# Altium PCB spin5v1_simple.PcbDoc (part 7 of 25) (continued)
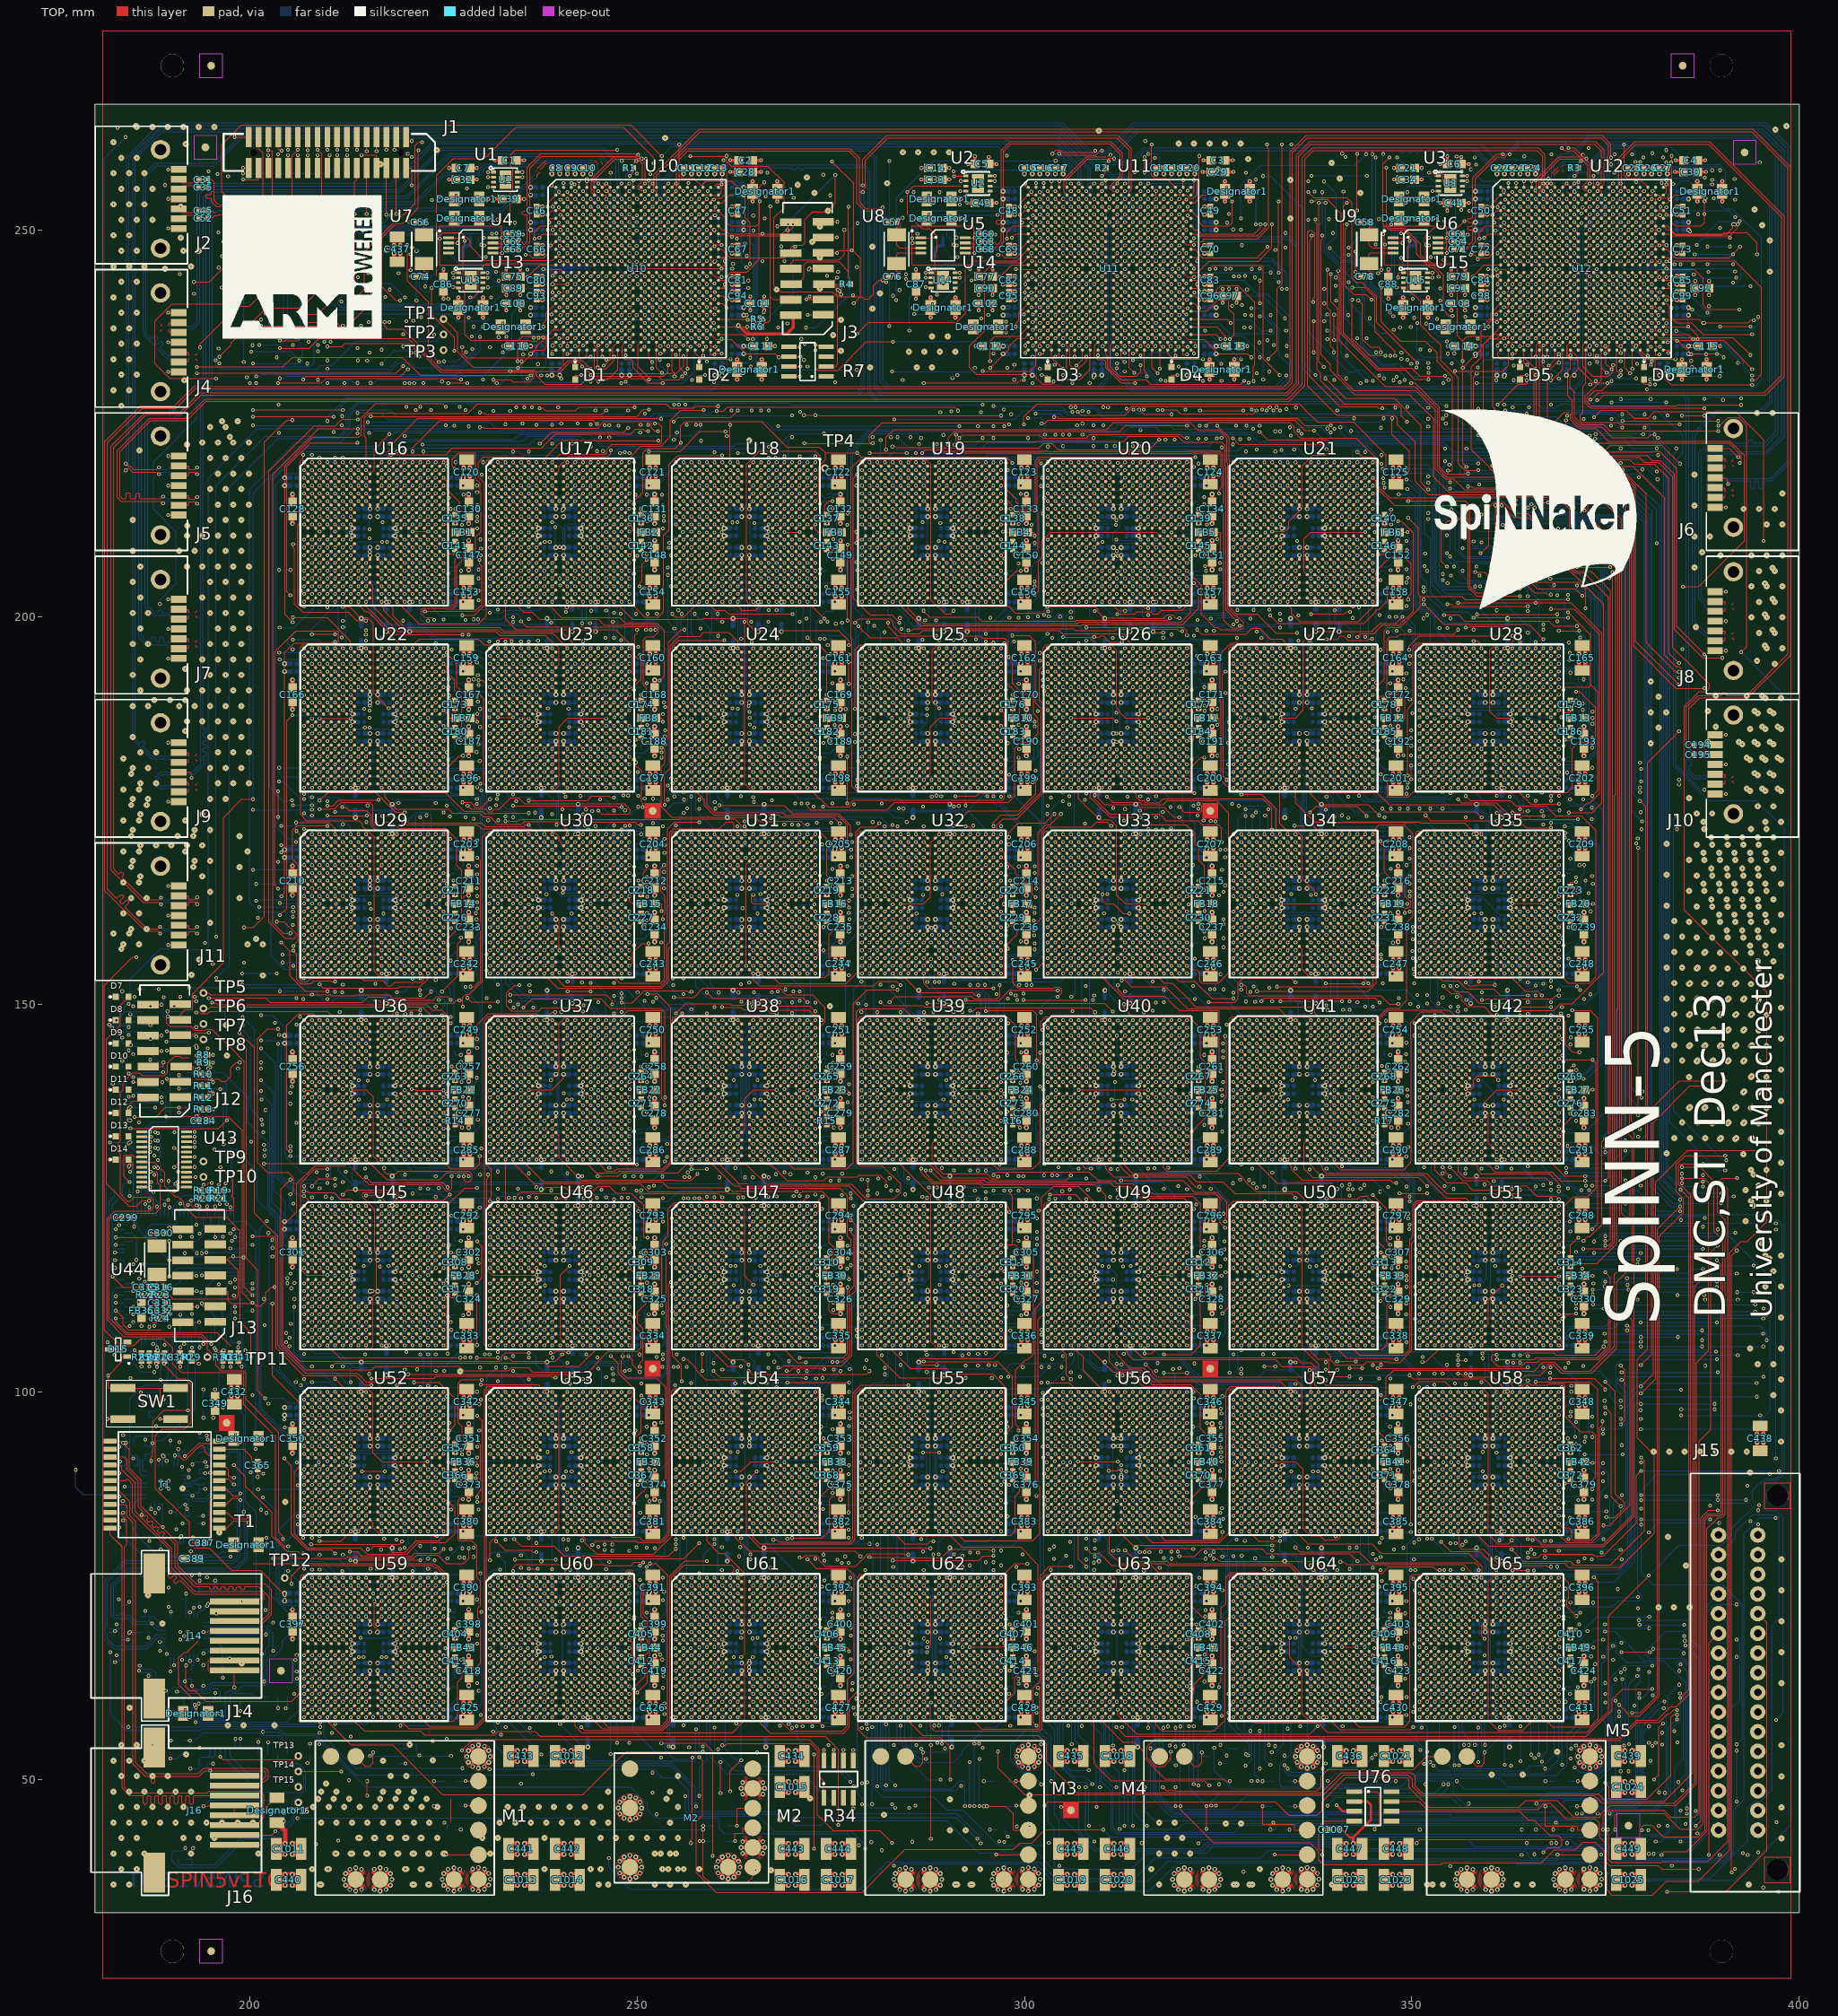
[diagram p0: TOP view]
## Nets (pads, with @x,y where several pads share a name; then routed paths per layer and width w, separated by ;. In a path a pad name is that pad's centre, name@x,y a point inside that pad or via, vN(x,y) a via of type N, cw(c..) or ccw(c..) an arc to the next point about the centre after c; other vN are vias at no path point) (continued)
RXD<1>_49: U61.A16
  other v1: 271,76
RXD<1>_50: U60.A16
  other v1: 247,76
RXD<1>_51: U28.A16
  other v1: 367,196
RXD<1>_52: U21.A16
  other v1: 343,220
RXD<1>_53: U19.A16
  other v1: 295,220
RXD<1>_54: U18.A16
  other v1: 271,220
RXD<1>_55: U17.A16
  other v1: 247,220
RXD<1>_56: U25.A16
  other v1: 295,196
RXD<1>_57: U20.A16
  other v1: 319,220
RXD<1>_58: U27.A16
  other v1: 343,196
RXD<1>_59: U35.A16
  other v1: 367,172
RXD<1>_60: U42.A16
  other v1: 367,148
RXD<1>_61: U34.A16
  other v1: 343,172
RXD<1>_62: U26.A16
  other v1: 319,196
RXD<1>_63: U24.A16
  other v1: 271,196
RXD<1>_64: U23.A16
  other v1: 247,196
RXD<1>_65: U16.A16
  other v1: 223,220
RXD<1>_66: U51.A16
  other v1: 367,124
RXD<1>_67: U41.A16
  other v1: 343,148
RXD<1>_68: U33.A16
  other v1: 319,172
RXD<1>_69: U32.A16
  other v1: 295,172
RXD<1>_70: U31.A16
  other v1: 271,172
RXD<1>_71: U30.A16
  other v1: 247,172
RXD<1>_72: U22.A16
  other v1: 223,196
RXD<1>_73: U58.A16
  other v1: 367,100
RXD<1>_74: U50.A16
  other v1: 343,124
RXD<1>_75: U40.A16
  other v1: 319,148
RXD<1>_76: U39.A16
  other v1: 295,148
RXD<1>_77: U38.A16
  other v1: 271,148
RXD<1>_78: U37.A16
  other v1: 247,148
RXD<1>_79: U36.A16
  other v1: 223,148
RXD<1>_80: U29.A16
  other v1: 223,172
RXD<1>_81: U65.A16
  other v1: 367,76
RXD<1>_82: U57.A16
  other v1: 343,100
RXD<1>_83: U49.A16
  other v1: 319,124
RXD<1>_84: U48.A16
  other v1: 295,124
RXD<1>_85: U47.A16
  other v1: 271,124
RXD<1>_86: U46.A16
  other v1: 247,124
RXD<1>_87: U45.A16
  other v1: 223,124
RXD<1>_88: U64.A16
  other v1: 343,76
RXD<1>_89: U56.A16
  other v1: 319,100
RXD<1>_90: U55.A16
  other v1: 295,100
RXD<1>_91: U54.A16
  other v1: 271,100
RXD<1>_92: U53.A16
  other v1: 247,100
RXD<1>_93: U52.A16
  other v1: 223,100
RXD<1>_94: U59.A16 U72.10
  other v1: 218.95,66.965 223,76
RXD<2>: U63.B16
  other v1: 319,75
RXD<2>_48: U62.B16
  other v1: 295,75
RXD<2>_49: U61.B16
  other v1: 271,75
RXD<2>_50: U60.B16
  other v1: 247,75
RXD<2>_51: U28.B16
  other v1: 367,195
RXD<2>_52: U21.B16
  other v1: 343,219
RXD<2>_53: U19.B16
  other v1: 295,219
RXD<2>_54: U18.B16
  other v1: 271,219
RXD<2>_55: U17.B16
  other v1: 247,219
RXD<2>_56: U25.B16
  other v1: 295,195
RXD<2>_57: U20.B16
  other v1: 319,219
RXD<2>_58: U27.B16
  other v1: 343,195
RXD<2>_59: U35.B16
  other v1: 367,171
RXD<2>_60: U42.B16
  other v1: 367,147
RXD<2>_61: U34.B16
  other v1: 343,171
RXD<2>_62: U26.B16
  other v1: 319,195
RXD<2>_63: U24.B16
  other v1: 271,195
RXD<2>_64: U23.B16
  other v1: 247,195
RXD<2>_65: U16.B16
  other v1: 223,219
RXD<2>_66: U51.B16
  other v1: 367,123
RXD<2>_67: U41.B16
  other v1: 343,147
RXD<2>_68: U33.B16
  other v1: 319,171
RXD<2>_69: U32.B16
  other v1: 295,171
RXD<2>_70: U31.B16
  other v1: 271,171
RXD<2>_71: U30.B16
  other v1: 247,171
RXD<2>_72: U22.B16
  other v1: 223,195
RXD<2>_73: U58.B16
  other v1: 367,99
RXD<2>_74: U50.B16
  other v1: 343,123
RXD<2>_75: U40.B16
  other v1: 319,147
RXD<2>_76: U39.B16
  other v1: 295,147
RXD<2>_77: U38.B16
  other v1: 271,147
RXD<2>_78: U37.B16
  other v1: 247,147
RXD<2>_79: U36.B16
  other v1: 223,147
RXD<2>_80: U29.B16
  other v1: 223,171
RXD<2>_81: U65.B16
  other v1: 367,75
RXD<2>_82: U57.B16
  other v1: 343,99
RXD<2>_83: U49.B16
  other v1: 319,123
RXD<2>_84: U48.B16
  other v1: 295,123
RXD<2>_85: U47.B16
  other v1: 271,123
RXD<2>_86: U46.B16
  other v1: 247,123
RXD<2>_87: U45.B16
  other v1: 223,123
RXD<2>_88: U64.B16
  other v1: 343,75
RXD<2>_89: U56.B16
  other v1: 319,99
RXD<2>_90: U55.B16
  other v1: 295,99
RXD<2>_91: U54.B16
  other v1: 271,99
RXD<2>_92: U53.B16
  other v1: 247,99
RXD<2>_93: U52.B16
  other v1: 223,99
RXD<2>_94: R171.1 U59.B16 U72.9 | length 28.8
  TOP w0.127: 200.368,77.843 223.791,77.843 224.088,77.546 224.288,77.546 225.431,76.403 v1(225.431,75.43)
  BOTTOM w0.127: U72.9@193.875,70.25 195.194,70.25 195.444,70.5 195.97,70.5
  other v1: 202.997,66.565 195.629,71.408 223,75
RXD<3>: U63.A15
  other v1: 318,76
RXD<3>_48: U62.A15
  other v1: 294,76
RXD<3>_49: U61.A15
  other v1: 270,76
RXD<3>_50: U60.A15
  other v1: 246,76
RXD<3>_51: U28.A15
  other v1: 366,196
RXD<3>_52: U21.A15
  other v1: 342,220
RXD<3>_53: U19.A15
  other v1: 294,220
RXD<3>_54: U18.A15
  other v1: 270,220
RXD<3>_55: U17.A15
  other v1: 246,220
RXD<3>_56: U25.A15
  other v1: 294,196
RXD<3>_57: U20.A15
  other v1: 318,220
RXD<3>_58: U27.A15
  other v1: 342,196
RXD<3>_59: U35.A15
  other v1: 366,172
RXD<3>_60: U42.A15
  other v1: 366,148
RXD<3>_61: U34.A15
  other v1: 342,172
RXD<3>_62: U26.A15
  other v1: 318,196
RXD<3>_63: U24.A15
  other v1: 270,196
RXD<3>_64: U23.A15
  other v1: 246,196
RXD<3>_65: U16.A15
  other v1: 222,220
RXD<3>_66: U51.A15
  other v1: 366,124
RXD<3>_67: U41.A15
  other v1: 342,148
RXD<3>_68: U33.A15
  other v1: 318,172
RXD<3>_69: U32.A15
  other v1: 294,172
RXD<3>_70: U31.A15
  other v1: 270,172
RXD<3>_71: U30.A15
  other v1: 246,172
RXD<3>_72: U22.A15
  other v1: 222,196
RXD<3>_73: U58.A15
  other v1: 366,100
RXD<3>_74: U50.A15
  other v1: 342,124
RXD<3>_75: U40.A15
  other v1: 318,148
RXD<3>_76: U39.A15
  other v1: 294,148
RXD<3>_77: U38.A15
  other v1: 270,148
RXD<3>_78: U37.A15
  other v1: 246,148
RXD<3>_79: U36.A15
  other v1: 222,148
RXD<3>_80: U29.A15
  other v1: 222,172
RXD<3>_81: U65.A15
  other v1: 366,76
RXD<3>_82: U57.A15
  other v1: 342,100
RXD<3>_83: U49.A15
  other v1: 318,124
RXD<3>_84: U48.A15
  other v1: 294,124
RXD<3>_85: U47.A15
  other v1: 270,124
RXD<3>_86: U46.A15
  other v1: 246,124
RXD<3>_87: U45.A15
  other v1: 222,124
RXD<3>_88: U64.A15
  other v1: 342,76
RXD<3>_89: U56.A15
  other v1: 318,100
RXD<3>_90: U55.A15
  other v1: 294,100
RXD<3>_91: U54.A15
  other v1: 270,100
RXD<3>_92: U53.A15
  other v1: 246,100
RXD<3>_93: U52.A15
  other v1: 222,100
RXD<3>_94: R161.1 U59.A15 U72.8
  other v1: 192.75,72.117 194.458,72.363 194.592,72.629 215.931,74 222,76
RXDV: U63.B15
  other v1: 318,75
RXDV_48: U62.B15
  other v1: 294,75
RXDV_49: U61.B15
  other v1: 270,75
RXDV_50: U60.B15
  other v1: 246,75
RXDV_51: U28.B15
  other v1: 366,195
RXDV_52: U21.B15
  other v1: 342,219
RXDV_53: U19.B15
  other v1: 294,219
RXDV_54: U18.B15
  other v1: 270,219
RXDV_55: U17.B15
  other v1: 246,219
RXDV_56: U25.B15
  other v1: 294,195
RXDV_57: U20.B15
  other v1: 318,219
RXDV_58: U27.B15
  other v1: 342,195
RXDV_59: U35.B15
  other v1: 366,171
RXDV_60: U42.B15
  other v1: 366,147
RXDV_61: U34.B15
  other v1: 342,171
RXDV_62: U26.B15
  other v1: 318,195
RXDV_63: U24.B15
  other v1: 270,195
RXDV_64: U23.B15
  other v1: 246,195
RXDV_65: U16.B15
  other v1: 222,219
RXDV_66: U51.B15
  other v1: 366,123
RXDV_67: U41.B15
  other v1: 342,147
RXDV_68: U33.B15
  other v1: 318,171
RXDV_69: U32.B15
  other v1: 294,171
RXDV_70: U31.B15
  other v1: 270,171
RXDV_71: U30.B15
  other v1: 246,171
RXDV_72: U22.B15
  other v1: 222,195
RXDV_73: U58.B15
  other v1: 366,99
RXDV_74: U50.B15
  other v1: 342,123
RXDV_75: U40.B15
  other v1: 318,147
RXDV_76: U39.B15
  other v1: 294,147
RXDV_77: U38.B15
  other v1: 270,147
RXDV_78: U37.B15
  other v1: 246,147
RXDV_79: U36.B15
  other v1: 222,147
RXDV_80: U29.B15
  other v1: 222,171
RXDV_81: U65.B15
  other v1: 366,75
RXDV_82: U57.B15
  other v1: 342,99
RXDV_83: U49.B15
  other v1: 318,123
RXDV_84: U48.B15
  other v1: 294,123
RXDV_85: U47.B15
  other v1: 270,123
RXDV_86: U46.B15
  other v1: 246,123
RXDV_87: U45.B15
  other v1: 222,123
RXDV_88: U64.B15
  other v1: 342,75
RXDV_89: U56.B15
  other v1: 318,99
RXDV_90: U55.B15
  other v1: 294,99
RXDV_91: U54.B15
  other v1: 270,99
RXDV_92: U53.B15
  other v1: 246,99
RXDV_93: U52.B15
  other v1: 222,99
RXDV_94: U59.B15 U72.26
  other v1: 214.674,65.742 222,75
RXERR: U63.C15
  other v1: 318,74
RXERR_49: U62.C15
  other v1: 294,74
RXERR_50: U61.C15
  other v1: 270,74
RXERR_51: U60.C15
  other v1: 246,74
RXERR_52: U28.C15
  other v1: 366,194
RXERR_53: U21.C15
  other v1: 342,218
RXERR_54: U19.C15
  other v1: 294,218
RXERR_55: U18.C15
  other v1: 270,218
RXERR_56: U17.C15
  other v1: 246,218
RXERR_57: U25.C15
  other v1: 294,194
RXERR_58: U20.C15
  other v1: 318,218
RXERR_59: U27.C15
  other v1: 342,194
RXERR_60: U35.C15
  other v1: 366,170
RXERR_61: U42.C15
  other v1: 366,146
RXERR_62: U34.C15
  other v1: 342,170
RXERR_63: U26.C15
  other v1: 318,194
RXERR_64: U24.C15
  other v1: 270,194
RXERR_65: U23.C15
  other v1: 246,194
RXERR_66: U16.C15
  other v1: 222,218
RXERR_67: U51.C15
  other v1: 366,122
RXERR_68: U41.C15
  other v1: 342,146
RXERR_69: U33.C15
  other v1: 318,170
RXERR_70: U32.C15
  other v1: 294,170
RXERR_71: U31.C15
  other v1: 270,170
RXERR_72: U30.C15
  other v1: 246,170
RXERR_73: U22.C15
  other v1: 222,194
RXERR_74: U58.C15
  other v1: 366,98
RXERR_75: U50.C15
  other v1: 342,122
RXERR_76: U40.C15
  other v1: 318,146
RXERR_77: U39.C15
  other v1: 294,146
RXERR_78: U38.C15
  other v1: 270,146
RXERR_79: U37.C15
  other v1: 246,146
RXERR_80: U36.C15
  other v1: 222,146
RXERR_81: U29.C15
  other v1: 222,170
RXERR_82: U65.C15
  other v1: 366,74
RXERR_83: U57.C15
  other v1: 342,98
RXERR_84: U49.C15
  other v1: 318,122
RXERR_85: U48.C15
  other v1: 294,122
RXERR_86: U47.C15
  other v1: 270,122
RXERR_87: U46.C15
  other v1: 246,122
RXERR_88: U45.C15
  other v1: 222,122
RXERR_89: U64.C15
  other v1: 342,74
RXERR_90: U56.C15
  other v1: 318,98
RXERR_91: U55.C15
  other v1: 294,98
RXERR_92: U54.C15
  other v1: 270,98
RXERR_93: U53.C15
  other v1: 246,98
RXERR_94: U52.C15
  other v1: 222,98
RXERR_95: U59.C15 U72.13 | length 4.2
  TOP w0.127: v1(216.067,72.967) 216.067,69.691 216.4,69.358 v1(216.4,68.927)
  other v1: 196.497,63.093 222,74
RXN_B: R145.2 T1.12 U71.30 | length 20.7
  BOTTOM w0.125: U71.30@191.375,87.25 191.915,87.25 192.927,86.238 194.21,86.238 195.492,87.52 198.249,87.52 198.441,87.712 198.441,91.941 198.044,92.338 197.419,92.338 197.294,92.213 197.294,91.787 197.169,91.662 196.919,91.662 196.794,91.787 196.794,92.213 196.669,92.338 196.419,92.338 196.294,92.213 196.294,91.787 196.169,91.662 195.919,91.662 195.794,91.787 195.794,92.213 195.669,92.338 195.419,92.338 195.294,92.213 195.294,91.787 195.169,91.662 194.919,91.662 194.794,91.787 194.794,92.213 194.669,92.338 193.808,92.338 193.5,92.03
RXN_S: R172.2 T1.3 U72.30 | length 36.3
  BOTTOM w0.125: U72.30@189.125,69.25 188.585,69.25 188.497,69.338 187.902,69.338 187.209,70.031 185.036,70.031 184.27,70.797 183.843,70.797 183.576,70.53 183.5,70.53 183.193,70.837 182.419,70.837 182.062,71.194 182.062,74.997 184.319,77.254 198.057,77.254 199.359,78.556 199.359,83.285 199.795,83.721 199.795,83.982
  other v1: 182.592,69.129
RXP_B: R140.2 T1.10 U71.31 | length 18.6
  BOTTOM w0.125: U71.31@191.375,86.75 191.955,86.75 192.792,85.913 194.345,85.913 195.627,87.195 198.384,87.195 198.766,87.577 198.766,92.076 198.179,92.663 193.807,92.663 193.5,92.97
RXP_S: R162.2 T1.1 U72.31 | length 35.9
  BOTTOM w0.125: U72.31@189.125,69.75 188.584,69.75 188.497,69.663 188.037,69.663 187.344,70.356 185.171,70.356 184.405,71.122 183.913,71.122 183.565,71.47 183.5,71.47 183.192,71.162 182.554,71.162 182.387,71.329 182.387,74.862 184.454,76.929 185.651,76.929 185.776,76.804 185.776,76.33 185.901,76.205 186.151,76.205 186.276,76.33 186.276,76.804 186.401,76.929 198.192,76.929 199.684,78.421 199.684,83.002 199.795,83.113
S0_APLUS: C129.1 J5.2 | length 8.3
  TOP w0.062: J5.2@190.81,214.46 191.963,214.46 192.088,214.585 192.088,214.807 192.146,214.865 ; 192.975,214.865 v1(193.18,214.66)
  TOP w0.125: J5.2@190.81,214.46 191.963,214.46 192.088,214.585 192.088,214.807 192.213,214.932 192.908,214.932 v1(193.18,214.66)
  BOTTOM w0.062: 191.34,214.46 191.838,214.46 191.963,214.585 191.963,214.807 192.021,214.865 ; 192.975,214.865 v1(193.18,214.66)
  BOTTOM w0.125: 191.34,214.46 191.838,214.46 191.963,214.585 191.963,214.807 192.088,214.932 192.908,214.932 v1(193.18,214.66)
S0_APLUS_1: C52.1 J2.2 | length 3
  TOP w0.125: J2.2@190.81,251.46 191.284,251.934 192.723,251.934 193.157,251.5 C52.1@193.47,251.5
S0_APLUS_2: C493.1 J6.2 | length 1.6
  TOP w0.062: J6.2@389.19,220.54 390.343,220.54 390.468,220.415 390.468,220.192 390.526,220.134
S0_BMINUS: C126.1 J5.5 | length 8.3
  TOP w0.062: J5.5@190.81,218.27 191.963,218.27 192.088,218.395 192.088,218.617 192.146,218.675 ; 192.975,218.675 v1(193.18,218.47)
  TOP w0.125: J5.5@190.81,218.27 191.963,218.27 192.088,218.395 192.088,218.617 192.213,218.742 192.908,218.742 v1(193.18,218.47)
  BOTTOM w0.062: 191.34,218.27 191.838,218.27 191.963,218.395 191.963,218.617 192.021,218.675 ; 192.975,218.675 v1(193.18,218.47)
  BOTTOM w0.125: 191.34,218.27 191.838,218.27 191.963,218.395 191.963,218.617 192.088,218.742 192.908,218.742 v1(193.18,218.47)
S0_BMINUS_1: C35.1 J2.5 | length 3
  TOP w0.125: J2.5@190.81,255.27 191.297,255.757 192.761,255.757 192.787,255.756 193.043,255.5 C35.1@193.47,255.5
S0_BMINUS_2: C501.1 J6.5 | length 1.6
  TOP w0.062: J6.5@389.19,216.73 390.343,216.73 390.468,216.605 390.468,216.382 390.526,216.324
S0_BPLUS: C119.1 J5.6 | length 8.3
  TOP w0.062: J5.6@190.81,219.54 191.963,219.54 192.088,219.415 192.088,219.192 192.146,219.134 ; 192.975,219.134 v1(193.18,219.339)
  TOP w0.125: J5.6@190.81,219.54 191.963,219.54 192.088,219.415 192.088,219.192 192.213,219.067 192.908,219.067 v1(193.18,219.339)
  BOTTOM w0.062: 191.34,219.54 191.838,219.54 191.963,219.415 191.963,219.192 192.021,219.134 ; 192.975,219.134 v1(193.18,219.339)
  BOTTOM w0.125: 191.34,219.54 191.838,219.54 191.963,219.415 191.963,219.192 192.088,219.067 192.908,219.067 v1(193.18,219.339)
S0_BPLUS_1: C31.1 J2.6 | length 3
  TOP w0.125: J2.6@190.81,256.54 191.268,256.082 192.758,256.082 193.176,256.5 C31.1@193.47,256.5
S0_BPLUS_2: C502.1 J6.6 | length 1.6
  TOP w0.062: J6.6@389.19,215.46 390.343,215.46 390.468,215.585 390.468,215.807 390.526,215.865
S0_RXN: C126.2 U12.C7 | length 240.7
  TOP w0.125: v1(183.967,218.962) 184.239,219.234 184.364,219.234 184.856,218.742 187.983,218.742 v1(188.255,218.47)
  BOTTOM w0.125: v1(183.967,218.962) 184.4,219.395 184.4,259.245 188.655,263.5 304.74,263.5 309.777,258.463 313.719,258.463 315.531,260.275 348.395,260.275 348.52,260.15 348.52,260.068 348.645,259.943 348.895,259.943 349.02,260.068 349.02,260.15 349.145,260.275 349.395,260.275 349.52,260.15 349.52,260.068 349.645,259.943 349.895,259.943 350.02,260.068 350.02,260.15 350.145,260.275 350.395,260.275 350.52,260.15 350.52,260.068 350.645,259.943 350.895,259.943 351.02,260.068 351.02,260.15 351.145,260.275 351.395,260.275 351.52,260.15 351.52,260.068 351.645,259.943 351.895,259.943 352.02,260.068 352.02,260.15 352.145,260.275 357.972,260.275 360.334,257.913 366.046,257.913 366.745,257.214 366.745,254.403 366.97,254.178 366.97,254.105 367,254.075 367,254 ; v1(188.255,218.47) 188.527,218.742 189.532,218.742 189.657,218.617 189.657,218.395 189.782,218.27 190.28,218.27
S0_RXN_3: C35.2 U10.C7 | length 60.9
  TOP w0.062: C35.2@194.53,255.5 195.029,255.001 195.029,254.718 194.904,254.593 194.484,254.593 194.359,254.468 194.359,254.218 194.484,254.093 194.904,254.093 195.029,253.968 195.029,253.679 195.701,253.007 196.096,253.007 196.526,253.437 196.787,253.437
  BOTTOM w0.125: 196.787,253.437 196.819,253.437 197.007,253.625 221.265,253.625 225.065,257.425 229.525,257.425 229.845,257.745 229.845,258.01 230.335,258.5 236.225,258.5 236.725,259 244.473,259 244.89,258.583 244.89,256.498 244.57,256.178 244.57,255.822 244.846,255.546 244.846,254.154 245,254
S0_RXN_4: C501.2 U11.C7 | length 160.6
  TOP w0.125: v1(304.491,259.846) 304.633,259.704 309.247,259.704 309.751,260.208 v1(310.012,260.208)
  BOTTOM w0.125: v1(304.491,259.846) 304.578,259.759 304.66,259.759 306.145,258.274 306.145,257.141 305.435,256.431 305.435,254.633 305.895,254.173 305.895,254.105 306,254 ; v1(310.012,260.208) 310.508,260.208 314.125,263.825 395.675,263.825 398.925,260.575 398.925,220.065 396.473,217.613 395.432,217.613 395.307,217.488 395.307,216.712 395.182,216.587 394.932,216.587 394.807,216.712 394.807,217.488 394.682,217.613 394.432,217.613 394.307,217.488 394.307,216.712 394.182,216.587 393.932,216.587 393.807,216.712 393.807,217.488 393.682,217.613 389.127,217.613 388.79,217.276 388.683,217.276 388.66,217.253 388.66,216.73
S0_RXP: C119.2 U12.D7 | length 240.5
  TOP w0.125: v1(183.967,219.831) 184.239,219.559 184.499,219.559 184.991,219.067 187.983,219.067 v1(188.255,219.339)
  BOTTOM w0.125: v1(183.967,219.831) 184.018,219.831 184.075,219.888 184.075,259.38 188.52,263.825 304.875,263.825 309.912,258.788 313.584,258.788 315.396,260.6 358.107,260.6 360.469,258.238 366.18,258.238 367.07,257.348 367.07,254.538 367.43,254.178 367.43,253.822 367,253.392 367,253 ; v1(188.255,219.339) 188.527,219.067 189.532,219.067 189.657,219.192 189.657,219.415 189.782,219.54 190.28,219.54
S0_RXP_3: C31.2 U10.D7 | length 61.4
  TOP w0.062: C31.2@194.53,256.5 195.028,256.5 195.366,256.162 195.366,253.802 195.731,253.437 195.918,253.437
  BOTTOM w0.125: 195.918,253.437 196.348,253.007 196.965,253.007 197.258,253.3 221.4,253.3 225.2,257.1 229.66,257.1 230.17,257.61 230.17,257.875 230.47,258.175 236.36,258.175 236.86,258.675 244.338,258.675 244.565,258.448 244.565,256.633 244.245,256.313 244.245,255.687 244.521,255.411 244.521,253.871 244.839,253.553 244.839,253.161 v1(245,253)
  other v1: 245,254 246,254 245,255
S0_RXP_4: C502.2 U11.D7 | length 161.1
  TOP w0.125: v1(303.622,259.846) 304.089,260.313 304.632,260.313 304.916,260.029 309.112,260.029 309.186,260.103 309.186,260.165 v1(309.143,260.208)
  BOTTOM w0.125: v1(303.622,259.846) 303.883,259.846 304.313,259.416 304.543,259.416 305.82,258.139 305.82,257.276 305.11,256.566 305.11,254.498 305.57,254.038 305.57,253.822 306,253.392 v1(306,253) ; v1(309.143,260.208) 309.468,259.883 309.729,259.883 309.834,259.778 310.19,259.778 310.295,259.883 310.643,259.883 314.26,263.5 395.54,263.5 398.6,260.44 398.6,220.2 396.338,217.938 388.992,217.938 388.655,217.601 388.548,217.601 388.124,217.177 388.124,216.805 388.125,216.804 388.125,216.282 388.344,216.063 388.344,215.776 388.66,215.46
S0_TXN: C127.2 U12.A6 | length 237.2
  TOP w0.125: v1(188.784,215.572) 188.512,215.3 185.921,215.3 185.796,215.425 185.796,215.872 185.671,215.997 185.421,215.997 185.296,215.872 185.296,215.425 185.171,215.3 184.655,215.3 184.53,215.425 184.53,215.929 184.405,216.054 184.155,216.054 184.03,215.929 184.03,215.425 183.905,215.3 183.501,215.3 183.2,215.601 183.2,221.4 187.175,225.375 191.835,225.375 194.335,227.875 334.175,227.875 336.225,229.925 336.225,259.165 337.335,260.275 366.19,260.275 366.887,259.578 366.887,256.783 366.745,256.641 366.745,255.654 U12.A6@366.59,255.499 ; U12.A6@366.5,255.5 366.523,255.523 366.567,255.523 U12.A6@366.59,255.5
  BOTTOM w0.125: v1(188.784,215.572) 189.056,215.3 189.85,215.3 190.28,215.73
S0_TXN_3: C45.2 U10.A6 | length 45.4
  TOP w0.062: C45.2@194.53,252.5 195.029,252.5 195.291,252.238 195.612,252.238 195.667,252.293
  BOTTOM w0.125: 195.667,252.293 195.72,252.293 195.964,252.537 197.163,252.537 197.451,252.825 232.459,252.825 234.119,254.485 234.119,254.661 234.06,254.72 234.06,254.896 234.238,255.074 234.414,255.074 234.473,255.015 234.649,255.015 237.039,257.405 237.039,257.679
S0_TXN_4: C494.2 U11.A6 | length 138.2
  BOTTOM w0.125: 311.574,259.218 311.577,259.218 311.629,259.27 311.629,259.569 314.76,262.7 395.14,262.7 397.8,260.04 397.8,223.46 395.765,221.425 389.162,221.425 388.837,221.1 388.237,221.1 388.125,220.988 388.125,220.092 388.237,219.98 388.358,219.98 388.66,219.678 388.66,219.27
S0_TXP: C129.2 U12.B6 | length 237.7
  TOP w0.125: v1(188.784,214.703) 188.512,214.975 183.366,214.975 182.875,215.466 182.875,221.535 187.04,225.7 191.7,225.7 194.2,228.2 334.04,228.2 335.9,230.06 335.9,259.3 337.2,260.6 366.325,260.6 367.212,259.713 367.212,256.648 367.07,256.506 367.07,255.519 366.5,254.949 U12.B6@366.5,254.5
  BOTTOM w0.125: v1(188.784,214.703) 189.056,214.975 189.81,214.975 190.28,214.505 190.28,214.46
S0_TXP_3: C52.2 U10.B6 | length 44.7
  TOP w0.062: C52.2@194.53,251.5 195.076,251.5 195.439,251.863 195.845,251.863 195.982,252 196.397,252 196.504,252.107
  BOTTOM w0.125: 196.504,252.107 196.609,252.212 197.298,252.212 197.586,252.5 232.594,252.5 236.683,256.589 236.884,256.589 237.072,256.777
  other v1: 242,249 249,255 251,255 249,256 251,256 250.574,259.218 250.119,259.684
S0_TXP_4: C493.2 U11.B6 | length 137
  BOTTOM w0.125: v1(311.119,259.684) 311.284,259.684 314.625,263.025 395.275,263.025 398.125,260.175 398.125,223.325 395.9,221.1 389.297,221.1 388.737,220.54 388.66,220.54
S1_AMINUS: C547.1 J8.3 | length 1.6
  TOP w0.062: J8.3@389.19,200.77 390.343,200.77 390.468,200.895 390.468,201.117 390.526,201.175
S1_AMINUS_1: C569.1 J7.3 | length 1.6
  TOP w0.062: J7.3@190.81,197.23 191.963,197.23 192.088,197.105 192.088,196.882 192.146,196.824
S1_AMINUS_2: C482.1 J4.3 | length 1.6
  TOP w0.062: J4.3@190.81,234.23 191.963,234.23 192.088,234.105 192.088,233.882 192.146,233.824
S1_APLUS: C545.1 J8.2 | length 1.6
  TOP w0.062: J8.2@389.19,202.04 390.343,202.04 390.468,201.915 390.468,201.692 390.526,201.634
S1_APLUS_1: C571.1 J7.2 | length 1.6
  TOP w0.062: J7.2@190.81,195.96 191.963,195.96 192.088,196.085 192.088,196.307 192.146,196.365
S1_APLUS_2: C483.1 J4.2 | length 1.6
  TOP w0.062: J4.2@190.81,232.96 191.963,232.96 192.088,233.085 192.088,233.307 192.146,233.365
S1_BMINUS: C568.1 J8.5 | length 1.6
  TOP w0.062: J8.5@389.19,198.23 390.343,198.23 390.468,198.105 390.468,197.882 390.526,197.824
S1_BMINUS_1: C548.1 J7.5 | length 1.6
  TOP w0.062: J7.5@190.81,199.77 191.963,199.77 192.088,199.895 192.088,200.117 192.146,200.175
S1_BMINUS_2: C475.1 J4.5 | length 1.6
  TOP w0.062: 189.474,237.176 189.532,237.118 189.532,236.895 189.657,236.77 J4.5@190.81,236.77
S1_BPLUS: C570.1 J8.6 | length 1.6
  TOP w0.062: J8.6@389.19,196.96 390.343,196.96 390.468,197.085 390.468,197.307 390.526,197.365
S1_BPLUS_1: C546.1 J7.6 | length 1.6
  TOP w0.062: J7.6@190.81,201.04 191.963,201.04 192.088,200.915 192.088,200.692 192.146,200.634
S1_BPLUS_2: C474.1 J4.6 | length 1.6
  TOP w0.062: 189.474,237.635 189.532,237.693 189.532,237.915 189.657,238.04 J4.6@190.81,238.04
S01_L0<0>: U39.R11 U40.D11
  other v1: 290,133 314,145
S01_L0<1>: U39.V10 U40.A10 | length 23.7
  TOP w0.127: v1(289,130) 289.597,129.403 295.945,129.403 296.564,128.784 301.076,128.784 302.029,129.737 302.029,137.03 v1(302.569,137.57) ; v1(311.257,137.759) v1(312.931,137.759)
  other v1: 313,148
S01_L0<2>: U39.U10 U40.B10 | length 22.6
  TOP w0.127: v1(293,149.2) 293.431,149.2 293.82,149.589 308.527,149.589 v1(309.116,149)
  BOTTOM w0.127: v1(309.116,149) 309.116,148.569 309.431,148.254 309.431,146.95 309.812,146.569 312.569,146.569 v1(313,147)
  other v1: 289,131
S01_L0<3>: U39.T10 U40.C10 | length 12.6
  TOP w0.127: U39.T10@288.5,132.5 288.109,132.109 288.109,129.992 288.571,129.53 288.571,129.025 289.46,128.136 295.154,128.136 295.739,127.551 296.376,127.551 v1(296.607,127.782)
  other v1: 313,146
S01_L0<4>: U39.R10 U40.D10
  other v1: 289,133 302.569,136.465 313,145
S01_L0<5>: U39.V11 U40.A11
  other v1: 302.568,127.982 290,130 314,148
S01_L0<6>: U39.U11 U40.B11
  other v1: 290,131 314,147
S01_L0<7>: U39.T11 U40.C11
  other v1: 290,132 314,146 294,148.864
S01_L0<8>: U39.R9 U40.D9
  other v1: 287,133 311,145
S01_L0<9>: U39.V8 U40.A8 | length 9.5
  TOP w0.127: v1(302.338,146.722) 302.138,146.922 302.138,147.796 302.773,148.431 309.569,148.431 v1(310,148)
  other v1: 286,130
S01_L0<10>: U39.U8 U40.B8
  other v1: 286,131 310,147
S01_L0<11>: U39.T8 U40.C8
  other v1: 286,132 302.228,145 310,146
S01_L0<12>: U39.R8 U40.D8 | length 21.8
  TOP w0.127: v1(287.03,149.001) 287.598,148.433 297.716,148.433 298.859,147.29 298.859,142.896 299.621,142.134 301.583,142.134 302.028,142.579 v1(302.028,143.8)
  other v1: 286,133 310,145
S01_L0<13>: U39.V9 U40.A9 | length 34
  BOTTOM w0.127: v1(287,130) 287.597,129.403 295.967,129.403 296.419,128.951 299.679,128.951 301.775,131.047 301.775,133.415 302.791,134.431 303.05,134.431 303.431,134.812 303.431,147.232 303.232,147.431 v1(302.569,147.431)
  other v1: 311,148
S01_L0<14>: U39.U9 U40.B9 | length 17.6
  TOP w0.127: v1(286.672,128.842) 286.672,128.327 288.133,126.866 294.202,126.866 294.659,126.409 299.626,126.409 300.031,126.004 v1(300.462,126.004)
  BOTTOM w0.127: v1(286.672,128.842) 286.672,129.273 286.568,129.377 286.568,130.568 v1(287,131)
  other v1: 311,147
S01_L0<15>: U39.T9 U40.C9 | length 24.4
  TOP w0.127: v1(287.43,150.158) 310.347,150.158 v1(311.426,149.079)
  other v1: 287,132 311,146
S01_L1<0>: U33.D7 U39.V16
  other v1: 295,130 296.4,151.347 309,169
S01_L1<1>: U33.A6 U39.V14
  other v1: 293,130 308,172
S01_L1<2>: U33.B6 U39.U14
  other v1: 293,131 308,171 293.4,173.1 307.8,173.37
S01_L1<3>: U33.C6 U39.T14 | length 12.5
  TOP w0.127: v1(292.4,150.589) 292.831,150.589 292.916,150.504 296.754,150.504 297.262,151.012 297.262,151.034 298.056,151.828 v1(304.32,151.828)
  other v1: 293,132 308,170
S01_L1<4>: U33.D6 U39.R14 | length 19.2
  BOTTOM w0.127: v1(306.05,151.02) 306.55,151.52 306.55,168.177 306.804,168.431 307.431,168.431 v1(308,169)
  other v1: 293,133
S01_L1<5>: U33.A7 U39.V15
  other v1: 304.4,128.982 294,130 304.05,138.931 309,172
S01_L1<6>: U33.B7 U39.U15
  other v1: 294,131 308.862,150.589 309,171
S01_L1<7>: U33.C7 U39.T15 | length 38.1
  TOP w0.127: v1(298.5,155.742) 298.5,152.746 299.135,152.111 303.75,152.111 303.898,152.259 304.498,152.259 304.816,151.941 304.816,151.536 v1(304.3,151.02)
  BOTTOM w0.127: v1(294,132) 294.432,131.568 298.589,131.568 299.514,132.493 299.73,132.493 301,133.763 301,148.48 303.54,151.02 v1(304.3,151.02)
  other v1: 309,170
S01_L1<8>: U33.D5 U39.R13
  other v1: 292,133 307,169
S01_L1<9>: U33.A3 U39.V12 | length 20.5
  BOTTOM w0.127: v1(291,130) 291.431,130.431 297.232,130.431 297.431,130.232 297.431,129.831 297.828,129.434 299.793,129.434 301.508,131.149 301.508,134.679 302.028,135.199 v1(302.028,139.43)
  other v1: 305,172
S01_L1<10>: U33.A4 U39.U12 | length 6.9
  BOTTOM w0.127: v1(293,128.6) 293.431,128.6 293.431,128.617 293.812,128.998 295.519,128.998 295.85,128.667 298.443,128.667 v1(299.255,127.855)
  other v1: 291,131 306,172
S01_L1<11>: U33.B4 U39.T12
  other v1: 291,132 305.001,162.931 306,171
S01_L1<12>: U33.C4 U39.R12
  other v1: 291,133 293,163.067 306,170
S01_L1<13>: U33.A5 U39.V13
  other v1: 303.6,127.982 292,130 302.569,142.43 307,172
S01_L1<14>: U33.B5 U39.U13
  other v1: 292,131 307,171
S01_L1<15>: U33.C5 U39.T13
  other v1: 292,132 307,170
S01_L2<0>: U32.R5 U39.R16 | length 35.5
  BOTTOM w0.127: v1(283,157) 282.568,156.568 282.568,151.92 284.431,150.057 284.431,147.939 284.939,147.431 291.232,147.431 291.431,147.232 291.431,132.949 291.812,132.568 294.568,132.568 v1(295,133)
S01_L2<1>: U32.V3 U39.N15 | length 27
  TOP w0.127: v1(281.4,150.303) 281.831,149.872 286.927,149.872 287.072,149.727 v1(291.998,149.727)
  BOTTOM w0.127: v1(291.998,149.727) 293.113,149.727 293.431,149.409 293.431,135.569 v1(294,135)
  other v1: 281,154
S01_L2<2>: U32.V4 U39.N16 | length 18.3
  BOTTOM w0.127: v1(294,152.543) 294.669,151.874 ; 294.67,151.874 295.432,151.112 295.432,135.432 v1(295,135)
  other v1: 289.007,152.907 282,154
S01_L2<3>: U32.U4 U39.N17
  other v1: 296,135 282,155
S01_L2<4>: U32.T4 U39.N18 | length 34
  TOP w0.127: v1(282.6,150.303) 283.317,151.02 293.208,151.02 293.47,150.758 296.434,150.758 296.831,151.155 v1(296.831,152.512)
  BOTTOM w0.127: v1(296.831,152.512) 296.831,149.833 296.568,149.57 296.568,135.432 v1(297,135)
  other v1: 282,156
S01_L2<5>: U32.V5 U39.P16 | length 29.8
  TOP w0.127: v1(283,154) 283.597,153.403 284.621,153.403 286.496,151.528 293.336,151.528 293.675,151.189 v1(294.106,151.189)
  BOTTOM w0.127: v1(294.106,151.189) 294.106,150.758 294.431,150.433 294.431,134.569 v1(295,134)
S01_L2<6>: U32.U5 U39.P17
  other v1: 296,134 290.94,152.672 283,155
S01_L2<7>: U32.T5 U39.P18
  other v1: 297,134 292,149.064 298.869,151.196 287.969,155.001 283,156
S01_L2<8>: U32.R7 U39.V18 | length 3
  BOTTOM w0.127: v1(295,128.567) 295.431,128.567 295.585,128.413 297.369,128.413 v1(297.8,127.982)
  other v1: 285,127.581 297,130 285,157
S01_L2<9>: U32.V6 U39.R17 | length 3.9
  BOTTOM w0.127: v1(284,154) 284.597,153.403 286.965,153.403 v1(287.461,152.907)
  other v1: 296,133 297.431,138.501 290.999,138.931
S01_L2<10>: U32.U6 U39.R18 | length 28.3
  TOP w0.127: v1(295.001,149.158) 295.432,149.158 295.49,149.216 301.089,149.216 301.597,148.708 v1(301.597,142.782)
  BOTTOM w0.127: v1(284,155) 284.569,154.431 287.193,154.431 287.892,153.732 287.892,152.595 289.353,151.134 293.327,151.134 293.813,151.62 294.366,151.62 295.001,150.985 v1(295.001,149.158)
  other v1: 297,133
S01_L2<11>: U32.T6 U39.T16 | length 7
  BOTTOM w0.127: v1(284,156) 284.568,155.432 288.201,155.432 288.4,155.233 v1(288.4,152.907)
  other v1: 295,132

## Text inside footprints (layer, text, board x,y; h text height)
U28: PIN_NUMBER "M17" at 367.166,184.5 h0.24; PIN_NUMBER "J17" at 367.166,187.5 h0.24; PIN_NUMBER "J18" at 368.166,187.5 h0.24; PIN_NUMBER "M18" at 368.166,184.5 h0.24; PIN_NUMBER "B18" at 368.166,194.5 h0.24; PIN_NUMBER "C16" at 366.166,193.5 h0.24; PIN_NUMBER "G16" at 366.166,189.5 h0.24; PIN_NUMBER "G17" at 367.166,189.5 h0.24; PIN_NUMBER "C13" at 363.166,193.5 h0.24; PIN_NUMBER "B13" at 363.166,194.5 h0.24; PIN_NUMBER "A13" at 363.166,195.5 h0.24; PIN_NUMBER "D14" at 364.166,192.5 h0.24; PIN_NUMBER "C14" at 364.166,193.5 h0.24; PIN_NUMBER "B14" at 364.166,194.5 h0.24; PIN_NUMBER "A14" at 364.166,195.5 h0.24; PIN_NUMBER "J16" at 366.166,187.5 h0.24; PIN_NUMBER "C17" at 367.166,193.5 h0.24; PIN_NUMBER "C18" at 368.166,193.5 h0.24; PIN_NUMBER "K17" at 367.166,186.5 h0.24; PIN_NUMBER "K18" at 368.166,186.5 h0.24; PIN_NUMBER "L15" at 365.166,185.5 h0.24; PIN_NUMBER "L16" at 366.166,185.5 h0.24; PIN_NUMBER "C15" at 365.166,193.5 h0.24; PIN_NUMBER "B15" at 365.166,194.5 h0.24; PIN_NUMBER "A15" at 365.166,195.5 h0.24; PIN_NUMBER "B16" at 366.166,194.5 h0.24; PIN_NUMBER "A16" at 366.166,195.5 h0.24; PIN_NUMBER "A17" at 367.166,195.5 h0.24; PIN_NUMBER "A18" at 368.166,195.5 h0.24; PIN_NUMBER "B17" at 367.166,194.5 h0.24; PIN_NUMBER "B12" at 362.166,194.5 h0.24; PIN_NUMBER "C12" at 362.166,193.5 h0.24; PIN_NUMBER "D16" at 366.166,192.5 h0.24; PIN_NUMBER "A12" at 362.166,195.5 h0.24; PIN_NUMBER "D13" at 363.166,192.5 h0.24; PIN_NUMBER "K15" at 365.166,186.5 h0.24; PIN_NUMBER "K16" at 366.166,186.5 h0.24; PIN_NUMBER "D17" at 367.166,192.5 h0.24; PIN_NUMBER "D18" at 368.166,192.5 h0.24; PIN_NUMBER "E16" at 366.166,191.5 h0.24; PIN_NUMBER "E17" at 367.166,191.5 h0.24; PIN_NUMBER "E18" at 368.166,191.5 h0.24; PIN_NUMBER "F16" at 366.166,190.5 h0.24; PIN_NUMBER "M16" at 366.166,184.5 h0.24; PIN_NUMBER "D12" at 362.166,192.5 h0.24; PIN_NUMBER "K2" at 351.854,186.5 h0.24; PIN_NUMBER "H3" at 352.854,188.5 h0.24; PIN_NUMBER "K3" at 352.854,186.5 h0.24; PIN_NUMBER "H4" at 353.854,188.5 h0.24; PIN_NUMBER "K1" at 350.624,186.5 h0.24; PIN_NUMBER "L4" at 353.854,185.5 h0.24; PIN_NUMBER "G3" at 352.854,189.5 h0.24; PIN_NUMBER "L3" at 352.854,185.5 h0.24; PIN_NUMBER "G4" at 353.854,189.5 h0.24; PIN_NUMBER "L2" at 351.854,185.5 h0.24; PIN_NUMBER "H1" at 350.624,188.5 h0.24; PIN_NUMBER "L1" at 350.624,185.5 h0.24; PIN_NUMBER "H2" at 351.854,188.5 h0.24; PIN_NUMBER "K4" at 353.854,186.5 h0.24; PIN_NUMBER "G2" at 351.854,189.5 h0.24; PIN_NUMBER "G1" at 350.624,189.5 h0.24; PIN_NUMBER "M2" at 351.854,184.5 h0.24; PIN_NUMBER "J2" at 351.854,187.5 h0.24; PIN_NUMBER "J1" at 350.624,187.5 h0.24; PIN_NUMBER "M4" at 353.854,184.5 h0.24; PIN_NUMBER "J3" at 352.854,187.5 h0.24; PIN_NUMBER "J4" at 353.854,187.5 h0.24; PIN_NUMBER "D2" at 351.854,192.5 h0.24; PIN_NUMBER "F4" at 353.854,190.5 h0.24; PIN_NUMBER "N1" at 350.624,183.5 h0.24; PIN_NUMBER "R3" at 352.854,181.5 h0.24; PIN_NUMBER "A1" at 350.624,195.5 h0.24; PIN_NUMBER "E1" at 350.624,191.5 h0.24; PIN_NUMBER "E2" at 351.854,191.5 h0.24; PIN_NUMBER "E3" at 352.854,191.5 h0.24; PIN_NUMBER "E4" at 353.854,191.5 h0.24; PIN_NUMBER "F1" at 350.624,190.5 h0.24; PIN_NUMBER "F2" at 351.854,190.5 h0.24; PIN_NUMBER "N3" at 352.854,183.5 h0.24; PIN_NUMBER "N4" at 353.854,183.5 h0.24; PIN_NUMBER "P1" at 350.624,182.5 h0.24; PIN_NUMBER "P2" at 351.854,182.5 h0.24; PIN_NUMBER "A2" at 351.854,195.5 h0.24; PIN_NUMBER "P3" at 352.854,182.5 h0.24; PIN_NUMBER "P4" at 353.854,182.5 h0.24; PIN_NUMBER "R1" at 350.624,181.5 h0.24; PIN_NUMBER "R2" at 351.854,181.5 h0.24; PIN_NUMBER "T1" at 350.624,180.5 h0.24; PIN_NUMBER "T2" at 351.854,180.5 h0.24; PIN_NUMBER "T3" at 352.854,180.5 h0.24; PIN_NUMBER "U1" at 350.624,179.5 h0.24; PIN_NUMBER "U2" at 351.854,179.5 h0.24; PIN_NUMBER "U3" at 352.854,179.5 h0.24; PIN_NUMBER "B1" at 350.624,194.5 h0.24; PIN_NUMBER "V1" at 350.624,178.5 h0.24; PIN_NUMBER "V2" at 351.854,178.5 h0.24; PIN_NUMBER "B2" at 351.854,194.5 h0.24; PIN_NUMBER "B3" at 352.854,194.5 h0.24; PIN_NUMBER "C1" at 350.624,193.5 h0.24; PIN_NUMBER "C2" at 351.854,193.5 h0.24; PIN_NUMBER "C3" at 352.854,193.5 h0.24; PIN_NUMBER "D3" at 352.854,192.5 h0.24; PIN_NUMBER "D4" at 353.854,192.5 h0.24; PIN_NUMBER "D1" at 350.624,192.5 h0.24; PIN_NUMBER "F3" at 352.854,190.5 h0.24; PIN_NUMBER "N2" at 351.854,183.5 h0.24; PIN_NUMBER "R4" at 353.854,181.5 h0.24; PIN_NUMBER "M1" at 350.624,184.5 h0.24; PIN_NUMBER "M3" at 352.854,184.5 h0.24; PIN_NUMBER "U16" at 366.166,179.5 h0.24; PIN_NUMBER "V17" at 367.166,178.5 h0.24; PIN_NUMBER "D15" at 365.166,192.5 h0.24; PIN_NUMBER "E15" at 365.166,191.5 h0.24; PIN_NUMBER "F15" at 365.166,190.5 h0.24; PIN_NUMBER "J15" at 365.166,187.5 h0.24; PIN_NUMBER "P15" at 365.166,182.5 h0.24; PIN_NUMBER "R15" at 365.166,181.5 h0.24; PIN_NUMBER "G18" at 368.166,189.5 h0.24; PIN_NUMBER "P14" at 364.166,182.5 h0.24; PIN_NUMBER "N13" at 363.166,183.5 h0.24; PIN_NUMBER "N14" at 364.166,183.5 h0.24; PIN_NUMBER "M12" at 362.166,184.5 h0.24; PIN_NUMBER "M13" at 363.166,184.5 h0.24; PIN_NUMBER "M14" at 364.166,184.5 h0.24; PIN_NUMBER "H12" at 362.166,188.5 h0.24; PIN_NUMBER "H13" at 363.166,188.5 h0.24; PIN_NUMBER "H14" at 364.166,188.5 h0.24; PIN_NUMBER "E6" at 355.854,191.5 h0.24; PIN_NUMBER "E7" at 356.854,191.5 h0.24; PIN_NUMBER "F7" at 356.854,190.5 h0.24; PIN_NUMBER "E8" at 357.854,191.5 h0.24; PIN_NUMBER "F8" at 357.854,190.5 h0.24; PIN_NUMBER "L5" at 354.854,185.5 h0.24; PIN_NUMBER "L6" at 355.854,185.5 h0.24; PIN_NUMBER "L7" at 356.854,185.5 h0.24; PIN_NUMBER "G7" at 356.854,189.5 h0.24; PIN_NUMBER "G5" at 354.854,189.5 h0.24; PIN_NUMBER "G6" at 355.854,189.5 h0.24; PIN_NUMBER "F5" at 354.854,190.5 h0.24; PIN_NUMBER "F6" at 355.854,190.5 h0.24; PIN_NUMBER "E5" at 354.854,191.5 h0.24; PIN_NUMBER "P11" at 361.166,182.5 h0.24; PIN_NUMBER "N11" at 361.166,183.5 h0.24; PIN_NUMBER "P12" at 362.166,182.5 h0.24; PIN_NUMBER "N12" at 362.166,183.5 h0.24; PIN_NUMBER "P13" at 363.166,182.5 h0.24; PIN_NUMBER "K12" at 362.166,186.5 h0.24; PIN_NUMBER "K13" at 363.166,186.5 h0.24; PIN_NUMBER "K14" at 364.166,186.5 h0.24; PIN_NUMBER "E10" at 359.936,191.5 h0.24; PIN_NUMBER "F10" at 359.936,190.5 h0.24; PIN_NUMBER "J5" at 354.854,187.5 h0.24; PIN_NUMBER "J6" at 355.854,187.5 h0.24; PIN_NUMBER "J7" at 356.854,187.5 h0.24; PIN_NUMBER "N9" at 358.854,183.5 h0.24; PIN_NUMBER "P9" at 358.854,182.5 h0.24; PIN_NUMBER "R17" at 367.166,181.5 h0.24; PIN_NUMBER "V18" at 368.166,178.5 h0.24; PIN_NUMBER "P18" at 368.166,182.5 h0.24; PIN_NUMBER "P17" at 367.166,182.5 h0.24; PIN_NUMBER "P16" at 366.166,182.5 h0.24; PIN_NUMBER "N18" at 368.166,183.5 h0.24; PIN_NUMBER "N17" at 367.166,183.5 h0.24; PIN_NUMBER "N16" at 366.166,183.5 h0.24; PIN_NUMBER "N15" at 365.166,183.5 h0.24; PIN_NUMBER "U18" at 368.166,179.5 h0.24; PIN_NUMBER "U17" at 367.166,179.5 h0.24; PIN_NUMBER "T18" at 368.166,180.5 h0.24; PIN_NUMBER "T17" at 367.166,180.5 h0.24; PIN_NUMBER "T16" at 366.166,180.5 h0.24; PIN_NUMBER "R18" at 368.166,181.5 h0.24; PIN_NUMBER "R16" at 366.166,181.5 h0.24; PIN_NUMBER "V12" at 362.166,178.5 h0.24; PIN_NUMBER "R13" at 363.166,181.5 h0.24; PIN_NUMBER "T15" at 365.166,180.5 h0.24; PIN_NUMBER "U15" at 365.166,179.5 h0.24; PIN_NUMBER "V15" at 365.166,178.5 h0.24; PIN_NUMBER "R14" at 364.166,181.5 h0.24; PIN_NUMBER "T14" at 364.166,180.5 h0.24; PIN_NUMBER "U14" at 364.166,179.5 h0.24; PIN_NUMBER "V14" at 364.166,178.5 h0.24; PIN_NUMBER "T13" at 363.166,180.5 h0.24; PIN_NUMBER "U13" at 363.166,179.5 h0.24; PIN_NUMBER "V13" at 363.166,178.5 h0.24; PIN_NUMBER "R12" at 362.166,181.5 h0.24; PIN_NUMBER "T12" at 362.166,180.5 h0.24; PIN_NUMBER "U12" at 362.166,179.5 h0.24; PIN_NUMBER "V16" at 366.166,178.5 h0.24; PIN_NUMBER "V8" at 357.854,178.5 h0.24; PIN_NUMBER "R9" at 358.854,181.5 h0.24; PIN_NUMBER "T11" at 361.166,180.5 h0.24; PIN_NUMBER "U11" at 361.166,179.5 h0.24; PIN_NUMBER "V11" at 361.166,178.5 h0.24; PIN_NUMBER "R10" at 359.936,181.5 h0.24; PIN_NUMBER "T10" at 359.936,180.5 h0.24; PIN_NUMBER "U10" at 359.936,179.5 h0.24; PIN_NUMBER "V10" at 359.936,178.5 h0.24; PIN_NUMBER "T9" at 358.854,180.5 h0.24; PIN_NUMBER "U9" at 358.854,179.5 h0.24; PIN_NUMBER "V9" at 358.854,178.5 h0.24; PIN_NUMBER "R8" at 357.854,181.5 h0.24; PIN_NUMBER "T8" at 357.854,180.5 h0.24; PIN_NUMBER "U8" at 357.854,179.5 h0.24; PIN_NUMBER "R11" at 361.166,181.5 h0.24; PIN_NUMBER "A8" at 357.854,195.5 h0.24; PIN_NUMBER "D9" at 358.854,192.5 h0.24; PIN_NUMBER "C11" at 361.166,193.5 h0.24; PIN_NUMBER "B11" at 361.166,194.5 h0.24; PIN_NUMBER "A11" at 361.166,195.5 h0.24; PIN_NUMBER "D10" at 359.936,192.5 h0.24; PIN_NUMBER "C10" at 359.936,193.5 h0.24; PIN_NUMBER "B10" at 359.936,194.5 h0.24; PIN_NUMBER "A10" at 359.936,195.5 h0.24; PIN_NUMBER "C9" at 358.854,193.5 h0.24; PIN_NUMBER "B9" at 358.854,194.5 h0.24; PIN_NUMBER "A9" at 358.854,195.5 h0.24; PIN_NUMBER "D8" at 357.854,192.5 h0.24; PIN_NUMBER "C8" at 357.854,193.5 h0.24; PIN_NUMBER "B8" at 357.854,194.5 h0.24; PIN_NUMBER "D11" at 361.166,192.5 h0.24; PIN_NUMBER "V6" at 355.854,178.5 h0.24; PIN_NUMBER "R7" at 356.854,181.5 h0.24; PIN_NUMBER "T5" at 354.854,180.5 h0.24; PIN_NUMBER "U5" at 354.854,179.5 h0.24; PIN_NUMBER "V5" at 354.854,178.5 h0.24; PIN_NUMBER "T4" at 353.854,180.5 h0.24; PIN_NUMBER "U4" at 353.854,179.5 h0.24; PIN_NUMBER "V4" at 353.854,178.5 h0.24; PIN_NUMBER "V3" at 352.854,178.5 h0.24; PIN_NUMBER "T7" at 356.854,180.5 h0.24; PIN_NUMBER "U7" at 356.854,179.5 h0.24; PIN_NUMBER "V7" at 356.854,178.5 h0.24; PIN_NUMBER "R6" at 355.854,181.5 h0.24; PIN_NUMBER "T6" at 355.854,180.5 h0.24; PIN_NUMBER "U6" at 355.854,179.5 h0.24; PIN_NUMBER "R5" at 354.854,181.5 h0.24; PIN_NUMBER "A3" at 352.854,195.5 h0.24; PIN_NUMBER "D5" at 354.854,192.5 h0.24; PIN_NUMBER "C7" at 356.854,193.5 h0.24; PIN_NUMBER "B7" at 356.854,194.5 h0.24; PIN_NUMBER "A7" at 356.854,195.5 h0.24; PIN_NUMBER "D6" at 355.854,192.5 h0.24; PIN_NUMBER "C6" at 355.854,193.5 h0.24; PIN_NUMBER "B6" at 355.854,194.5 h0.24; PIN_NUMBER "A6" at 355.854,195.5 h0.24; PIN_NUMBER "C5" at 354.854,193.5 h0.24; PIN_NUMBER "B5" at 354.854,194.5 h0.24; PIN_NUMBER "A5" at 354.854,195.5 h0.24; PIN_NUMBER "C4" at 353.854,193.5 h0.24; PIN_NUMBER "B4" at 353.854,194.5 h0.24; PIN_NUMBER "A4" at 353.854,195.5 h0.24; PIN_NUMBER "D7" at 356.854,192.5 h0.24; PIN_NUMBER "H16" at 366.166,188.5 h0.24; PIN_NUMBER "H15" at 365.166,188.5 h0.24; PIN_NUMBER "F17" at 367.166,190.5 h0.24; PIN_NUMBER "F18" at 368.166,190.5 h0.24; PIN_NUMBER "L12" at 362.166,185.5 h0.24; PIN_NUMBER "L13" at 363.166,185.5 h0.24; PIN_NUMBER "L14" at 364.166,185.5 h0.24; PIN_NUMBER "L17" at 367.166,185.5 h0.24; PIN_NUMBER "L18" at 368.166,185.5 h0.24; PIN_NUMBER "J12" at 362.166,187.5 h0.24; PIN_NUMBER "J13" at 363.166,187.5 h0.24; PIN_NUMBER "J14" at 364.166,187.5 h0.24; PIN_NUMBER "H17" at 367.166,188.5 h0.24; PIN_NUMBER "H18" at 368.166,188.5 h0.24; PIN_NUMBER "G12" at 362.166,189.5 h0.24; PIN_NUMBER "G13" at 363.166,189.5 h0.24; PIN_NUMBER "G14" at 364.166,189.5 h0.24; PIN_NUMBER "F13" at 363.166,190.5 h0.24; PIN_NUMBER "F14" at 364.166,190.5 h0.24; PIN_NUMBER "E14" at 364.166,191.5 h0.24; PIN_NUMBER "E9" at 358.854,191.5 h0.24; PIN_NUMBER "F9" at 358.854,190.5 h0.24; PIN_NUMBER "F11" at 361.166,190.5 h0.24; PIN_NUMBER "E11" at 361.166,191.5 h0.24; PIN_NUMBER "F12" at 362.166,190.5 h0.24; PIN_NUMBER "E12" at 362.166,191.5 h0.24; PIN_NUMBER "E13" at 363.166,191.5 h0.24; PIN_NUMBER "P5" at 354.854,182.5 h0.24; PIN_NUMBER "N6" at 355.854,183.5 h0.24; PIN_NUMBER "N5" at 354.854,183.5 h0.24; PIN_NUMBER "M5" at 354.854,184.5 h0.24; PIN_NUMBER "M6" at 355.854,184.5 h0.24; PIN_NUMBER "M7" at 356.854,184.5 h0.24; PIN_NUMBER "K5" at 354.854,186.5 h0.24; PIN_NUMBER "K6" at 355.854,186.5 h0.24; PIN_NUMBER "K7" at 356.854,186.5 h0.24; PIN_NUMBER "H5" at 354.854,188.5 h0.24; PIN_NUMBER "H6" at 355.854,188.5 h0.24; PIN_NUMBER "H7" at 356.854,188.5 h0.24; PIN_NUMBER "P6" at 355.854,182.5 h0.24; PIN_NUMBER "N7" at 356.854,183.5 h0.24; PIN_NUMBER "P7" at 356.854,182.5 h0.24; PIN_NUMBER "N8" at 357.854,183.5 h0.24; PIN_NUMBER "P8" at 357.854,182.5 h0.24; PIN_NUMBER "P10" at 359.936,182.5 h0.24; PIN_NUMBER "N10" at 359.936,183.5 h0.24; PIN_NUMBER "G15" at 365.166,189.5 h0.24; PIN_NUMBER "M15" at 365.166,184.5 h0.24